# Allegro board ZC7020-PCB.brd (continued)
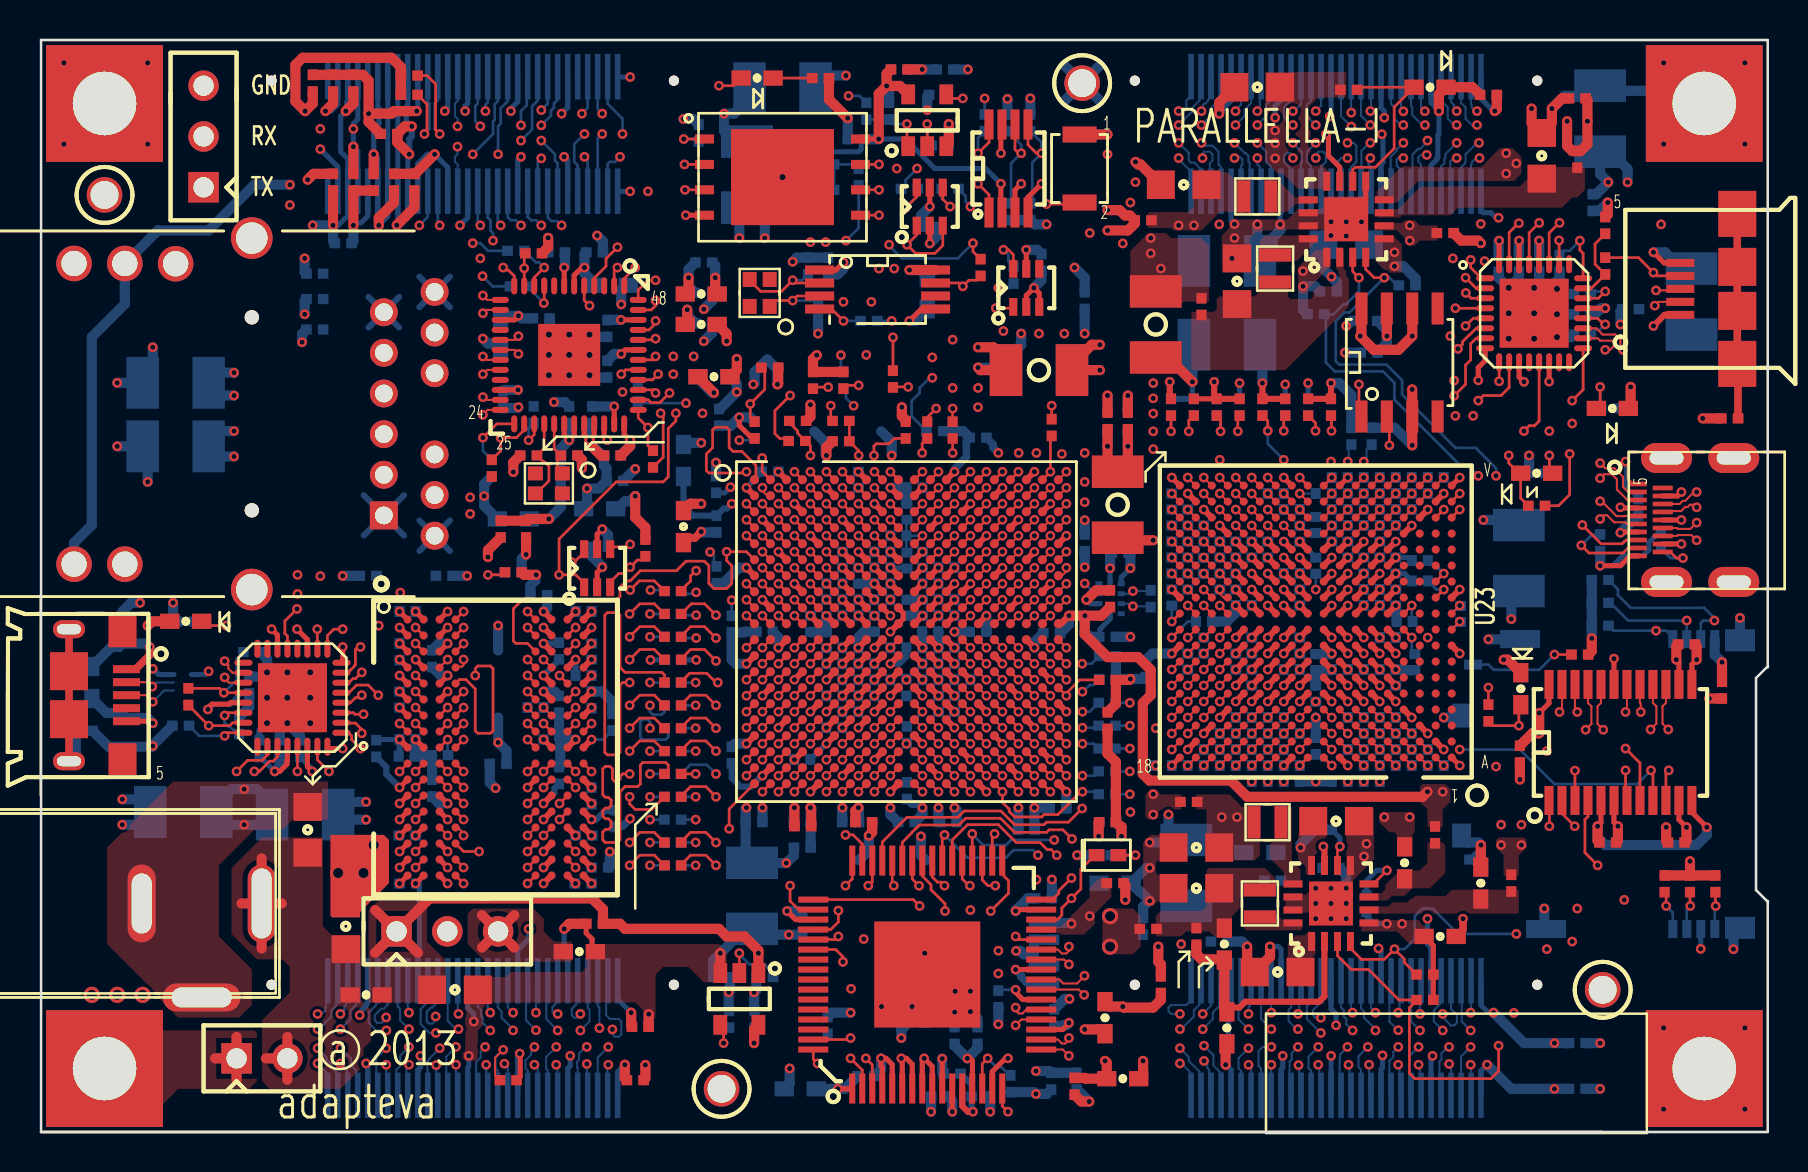
[diagram p0: board, top side]
## Routing (per net, layer and track width the routed paths; a pad name or vN(x,y) marks a point on that pad's centre or on a via; arc(x,y) is an arc through that point) (continued)
  TOP w0.133: v1(27.49,41.33) 27.22,41.59 U9.5 ; U2.C11 v1(44.14,31.42)
  L8_SIG w0.108: v1(44.14,31.42) 44.54,31.82 44.54,35.52 44.38,35.69 44.38,36.58 44.63,36.83 v1(44.63,37.72)
  L10_SIG w0.108: v1(44.63,37.72) 44.5,37.72 44.07,38.15 42.73,38.15 41.46,39.42 36.32,39.42 34.98,40.77 34.36,40.77 33.58,41.55 33.04,41.55 33.02,41.53 32.06,41.53 31.37,42.21 30.97,42.21 30.95,42.2 30.62,42.2 30.61,42.21 28.37,42.21 v1(27.49,41.33)
  BOTTOM w0.133: R61.1 43.6,35.79 43.6,36.56 44,36.96 44,37.21 44.5,37.72 v1(44.63,37.72)
ETH_RXCLK: length 22.9
  TOP w0.133: U2.B17 v1(48.94,32.22)
  L10_SIG w0.108: v1(32.31,36.45) 32.23,36.37 32.18,36.37 32.69,36.88 33.2,36.88 33.58,36.5 34.8,36.5 36.2,35.1 43.17,35.1 43.49,34.79 47.74,34.79 48.33,34.2 48.33,33.53 48.53,33.32 48.53,32.62 v1(48.94,32.22)
  BOTTOM w0.133: v1(32.31,36.45) 29.99,36.45 R71.1
ETH_RXCTL: length 26.8
  TOP w0.133: R297.1 31.17,33.74 31.17,35.81 v1(31.04,35.94) ; U2.D13 v1(45.74,30.62)
  L3_SIG w0.108: v1(46.92,36.25) 46.14,35.47 46.14,31.02 v1(45.74,30.62)
  L5_SIG w0.108: v1(31.04,35.94) 31.75,35.23 39.17,35.23 39.68,35.74 44.95,35.74 45.22,36.01 45.22,36.39 45.46,36.63 46.54,36.63 v1(46.92,36.25)
ETH_RXD0: length 29.1
  TOP w0.133: v1(31.49,36.96) 31,36.47 30.56,36.47 30.42,36.61 U9.38 ; U2.D11 v1(44.14,30.62)
  L5_SIG w0.108: v1(45.65,37.21) 45.2,36.77 43.11,36.77 42.98,36.9 42.98,37.72 42.85,37.85 42.53,37.85 42.41,37.72 42.41,36.9 42.28,36.77 39.24,36.77 39.04,36.58 39.04,36.1 38.79,35.85 35.45,35.85 35.05,36.25 34.54,36.25 34.47,36.18 34.47,35.69 34.34,35.56 33.84,35.56 33.64,35.75 33.64,36.45 33.47,36.63 33.33,36.63 33,36.96 v1(31.49,36.96)
  L8_SIG w0.108: v1(44.14,30.62) 44.54,31.02 45.1,31.02 45.33,31.26 45.33,33.46 45.14,33.66 45.14,34.92 46.15,35.94 46.15,36.7 v1(45.65,37.21)
ETH_RXD1: length 27.8
  TOP w0.133: U2.A16 v1(48.14,33.02) ; v1(30.79,36.96) 30.79,37.03 30.71,37.11 U9.39
  L10_SIG w0.108: v1(30.79,36.96) 30.74,37.01 29.77,37.01 29.64,36.88 29.64,36.32 29.14,35.81 28.5,35.81 28.37,35.69 28.37,35.31 28.5,35.18 29.52,35.18 30.15,35.81 30.53,35.81 30.85,35.5 32.55,35.5 32.68,35.62 32.68,36.23 32.84,36.39 33.31,36.39 34.65,35.05 35.49,35.05 35.82,34.72 42.98,34.72 43.23,34.47 47.17,34.47 47.42,34.21 47.42,33.73 v1(48.14,33.02)
ETH_RXD2: length 29.6
  TOP w0.133: U2.F15 v1(47.34,29.02) ; U9.41 29.29,38.11 v1(29.07,37.9)
  L5_SIG w0.108: v1(29.07,37.9) 29.47,38.29 32.05,38.29 32.5,37.85 41.33,37.85 42.22,38.73 v1(44.63,38.73)
  L8_SIG w0.108: v1(47.34,29.02) 46.94,29.42 46.38,29.42 46.14,29.66 46.14,34.8 46.15,34.81 46.15,35.18 46.41,35.43 46.41,37.34 45.65,38.1 45.14,38.1 44.5,38.73 v1(44.63,38.73)
ETH_RXD3: length 27.4
  TOP w0.133: U9.42 30.61,38.61 v1(30.79,38.79) ; U2.A15 v1(47.34,33.02)
  L3_SIG w0.108: v1(30.79,38.79) 31.28,38.29 31.93,38.29 33.14,37.09 v1(33.14,35.94)
  L10_SIG w0.108: v1(33.14,35.94) 33.07,35.88 33.07,35.18 32.95,35.05 30.91,35.05 30.79,34.92 30.79,33.91 30.91,33.78 33.2,33.78 33.45,34.04 35.49,34.04 35.79,34.34 39.42,34.34 39.61,34.15 40.57,34.15 40.76,34.34 42.73,34.34 43.61,33.45 46.9,33.45 v1(47.34,33.02)
ETH_TXCLK: length 24.8
  TOP w0.133: U9.47 30.57,41.11 30.79,41.33 v1(30.79,41.58) ; R59.2 v1(50.6,36.32)
  L10_SIG w0.108: v1(30.79,41.58) 32.4,39.97 34.72,39.97 35.84,38.85 37.71,38.85 38.46,38.1 41.14,38.1 42.47,36.77 43.28,36.77 43.65,36.4 43.65,35.96 43.82,35.79 44.07,35.79 44.31,35.55 49.82,35.55 v1(50.6,36.32)
ETH_TXCTL: length 22.5
  TOP w0.133: U9.2 28.72,43.07 v1(28.88,43.23) ; R296.2 v1(45.65,36.18)
  L10_SIG w0.108: v1(28.88,43.23) 28.88,43.18 29.26,42.8 30.15,42.8 30.41,43.05 31.17,43.05 32.31,41.91 34.72,41.91 36.25,40.39 38.41,40.39 38.58,40.56 38.98,40.56 39.74,39.8 41.53,39.8 42.85,38.48 44.12,38.48 44.38,38.23 45.01,38.23 45.14,38.1 45.14,36.69 v1(45.65,36.18)
ETH_TXD0: length 27.1
  TOP w0.133: U2.E14 v1(46.54,29.82) ; v1(30.79,39.67) 30.72,39.61 U9.44
  L5_SIG w0.108: v1(46.92,37.21) 44.83,39.29 34.85,39.29 34.6,39.04 33.01,39.04 32.82,39.23 31.23,39.23 v1(30.79,39.67)
  L8_SIG w0.108: v1(46.92,37.21) 47.42,36.7 47.42,35.94 46.52,35.04 46.52,33.8 46.93,33.38 46.93,31.26 46.92,31.24 46.92,30.8 46.93,30.78 46.93,30.22 v1(46.54,29.82)
ETH_TXD1: length 26.7
  TOP w0.133: v1(30.79,40.56) 30.79,40.44 30.46,40.11 U9.45 ; U2.B18 v1(49.74,32.22)
  L8_SIG w0.108: v1(31.68,37.9) 31.28,38.29 31.28,38.91 30.91,39.28 30.62,39.28 30.39,39.51 30.39,40.17 v1(30.79,40.56)
  L10_SIG w0.108: v1(31.68,37.9) 32.12,37.9 32.18,37.83 37.14,37.83 38.14,36.83 40.95,36.83 41.85,35.93 42.69,35.93 43.04,35.58 43.71,35.58 44,35.29 48.44,35.29 49.35,34.39 49.35,33.19 49.34,33.18 49.34,32.62 v1(49.74,32.22)
ETH_TXD2: length 25.5
  TOP w0.133: v1(30.79,42.6) 30.41,42.6 29.92,42.11 U9.48 ; U2.D10 v1(42.53,30.62)
  L5_SIG w0.108: v1(30.79,42.6) 31.3,42.09 38.85,42.09 39.93,41.01 41.07,41.01 v1(41.58,41.52)
  L8_SIG w0.108: v1(42.53,30.62) 42.98,31.06 42.98,33.36 43,33.37 43,34.2 42.37,34.82 42.37,36.91 42.32,36.96 42.32,39.14 41.58,39.88 v1(41.58,41.52)
ETH_TXD3: length 30.7
  TOP w0.133: v1(29.77,43.23) 29.22,42.68 U9.1 ; U2.A17 v1(48.94,33.02)
  L3_SIG w0.108: v1(29.77,43.23) 29.77,37.64 v1(29.14,37.01)
  L10_SIG w0.108: v1(29.14,37.01) 29.53,37.4 35.04,37.4 35.5,36.94 35.74,36.94 36.12,36.56 36.12,36.32 36.83,35.61 39.25,35.61 39.3,35.56 39.6,35.56 39.73,35.43 42.21,35.43 42.27,35.37 43.41,35.37 43.74,35.04 47.87,35.04 48.54,34.37 48.54,33.72 48.94,33.32 v1(48.94,33.02)
ETH_XTAL_IN: length 2.8
  TOP w0.133: U9.29 25.72,34.16 C62.1 26.05,33.81 25.88,33.64 25.88,33.26 26.05,33.09 26.05,33.01 Y2.1
ETH_XTAL_OUT: length 4.2
  TOP w0.133: U9.28 25.22,34.2 C85.1 25.18,33.51 25.24,33.51 25.45,33.3 25.45,32.56 24.83,31.94 Y2.3
GPIO0_N: length 37.5
  TOP w0.102: U2.U17 v1(48.94,19.42)
  L5_SIG w0.095: v1(28.42,3.37) 28.81,3.75 28.98,3.75 29.05,3.81 31.8,3.81 31.87,3.75 38.55,3.75 40.01,5.21 40.95,5.21 41.07,5.08 41.07,4.57 41.38,4.27 42.04,4.27 42.34,4.57 42.34,5.08 42.47,5.21 44.58,5.21 44.88,5.51 44.88,6.99 46.05,8.15 46.05,12.57 47.35,13.87 47.35,15.21 48.05,15.92 48.05,16.45 48.16,16.56 48.44,16.56 48.53,16.65 48.53,19.68 48.65,19.8 48.82,19.8 48.94,19.68 v1(48.94,19.42)
  BOTTOM w0.102: J11.3 28.37,1.85 28.37,3.31 v1(28.42,3.37)
GPIO0_P: length 37.6
  TOP w0.102: U2.T16 v1(48.14,20.22)
  L5_SIG w0.095: v1(48.14,20.22) 48.14,20.19 47.74,19.8 47.74,16.04 47.04,15.34 47.04,14 45.75,12.7 45.75,8.28 44.58,7.11 44.58,5.64 44.45,5.51 42.34,5.51 42.04,5.21 42.04,4.7 41.91,4.57 41.51,4.57 41.38,4.7 41.38,5.21 41.07,5.51 39.88,5.51 38.42,4.05 31.99,4.05 31.93,4.12 28.92,4.12 28.86,4.05 28.63,4.05 v1(28.42,4.25)
  BOTTOM w0.102: J11.5 27.89,3.72 v1(28.42,4.25)
GPIO1_N: length 37.8
  TOP w0.102: U2.W16 v1(48.14,17.82)
  L3_SIG w0.095: v1(28.63,5.13) 29.19,4.57 29.19,4.57 29.64,4.11 33.2,4.11 33.4,4.32 33.4,4.88 34.03,5.5 36.47,5.5 37.84,4.12 39.69,4.12 39.75,4.19 39.75,5.19 40.06,5.5 41.95,5.5 42.73,6.27 42.73,6.53 45.71,9.51 45.71,12.61 47.04,13.94 47.04,15.21 48.16,16.33 48.24,16.51 48.54,16.81 48.54,18.03 48.35,18.22 47.87,18.22 47.74,18.1 47.74,17.95 47.87,17.82 v1(48.14,17.82)
  BOTTOM w0.102: J11.4 28.32,7.49 28.32,5.84 28.5,5.65 28.95,5.65 29.07,5.52 29.07,4.89 28.95,4.76 28.76,4.76 28.63,4.89 v1(28.63,5.13)
GPIO1_P: length 37.7
  TOP w0.102: U2.V16 v1(48.14,18.62)
  L3_SIG w0.095: v1(27.98,5.19) 27.99,5.19 28.45,4.74 28.59,4.74 28.88,4.45 29.52,3.81 33.33,3.81 33.71,4.19 33.71,4.75 34.15,5.19 36.34,5.19 37.72,3.82 39.81,3.82 40.06,4.06 40.06,5.07 40.19,5.19 42.08,5.19 43.03,6.15 43.03,6.4 46.01,9.39 46.01,12.48 47.35,13.82 47.35,15.09 48.41,16.15 48.49,16.33 48.79,16.62 49.14,16.62 49.33,16.81 49.33,17.98 49.08,18.23 48.77,18.23 48.47,18.53 48.22,18.53 v1(48.14,18.62)
  BOTTOM w0.102: v1(27.98,5.19) 27.98,6.22 27.89,6.31 J11.6
GPIO2_N: length 38.6
  TOP w0.102: U2.P16 v1(48.14,21.82)
  L8_SIG w0.095: v1(27.35,3.4) 27.35,3.6 27.54,3.78 28.7,3.78 29.06,4.14 30.89,4.14 31.55,3.48 36.25,3.48 40.44,7.67 41.51,7.67 44.81,10.97 44.81,11.18 45.14,11.51 45.52,11.51 46.08,12.07 46.08,12.57 46.89,13.39 47.83,13.39 49.81,15.37 49.81,15.65 50.13,15.96 50.13,19.58 49.9,19.81 49.53,19.81 49.33,20.01 49.33,21.18 49.1,21.41 48.73,21.41 48.42,21.71 48.24,21.71 v1(48.14,21.82)
  BOTTOM w0.102: J11.7 27.35,1.88 v1(27.35,3.4)
GPIO2_P: length 38.9
  TOP w0.102: U2.P15 v1(47.34,21.82)
  L8_SIG w0.095: v1(47.34,21.82) 47.5,21.65 47.5,21.64 47.73,21.41 48.3,21.41 48.54,21.16 48.54,20.06 48.79,19.81 49.1,19.81 49.33,19.58 49.33,15.93 49.51,15.74 49.51,15.49 47.7,13.69 46.76,13.69 45.77,12.7 45.77,12.19 45.39,11.81 45.01,11.81 44.5,11.3 44.5,11.1 41.38,7.98 40.31,7.98 36.12,3.78 31.68,3.78 31.02,4.45 29.06,4.45 28.83,4.67 27.76,4.67 v1(27.35,4.25)
  BOTTOM w0.102: J11.9 26.89,3.2 26.86,3.23 26.86,3.52 26.96,3.63 26.96,3.94 27.28,4.25 v1(27.35,4.25)
GPIO3_N: length 36.9
  TOP w0.102: v1(50.54,19.42) U2.U19
  L10_SIG w0.095: v1(27.03,5.08) 27.03,5.13 27.23,5.33 27.47,5.33 27.74,5.6 28.82,5.6 29.39,5.03 33.58,5.03 35.16,6.6 35.16,7.11 36.63,8.59 37.26,8.59 38.33,9.65 38.33,10.54 39.74,11.95 39.74,12.58 39.89,12.74 43.19,12.74 43.66,13.21 45.52,13.21 45.98,13.67 47.56,13.67 49.13,15.24 49.13,15.55 49.33,15.75 49.33,17.16 49.57,17.41 49.88,17.41 50.14,17.68 50.14,17.98 50.39,18.23 50.7,18.23 50.93,18.46 50.93,19.36 50.85,19.43 50.55,19.43 v1(50.54,19.42)
  BOTTOM w0.102: J11.8 27.39,6.21 27.49,6.12 27.49,5.54 v1(27.03,5.08)
GPIO3_P: length 37
  TOP w0.102: v1(49.74,19.42) U2.U18
  L10_SIG w0.095: v1(27.03,5.91) 27.03,5.84 27.23,5.64 27.35,5.64 27.61,5.91 28.95,5.91 29.52,5.33 33.45,5.33 34.85,6.73 34.85,7.24 36.5,8.89 37.14,8.89 38.03,9.78 38.03,10.67 39.43,12.07 39.43,12.71 39.77,13.04 43.07,13.04 43.54,13.51 45.39,13.51 45.85,13.97 47.43,13.97 48.83,15.37 48.83,15.78 48.54,16.06 48.54,17.18 48.77,17.41 49.14,17.41 49.34,17.61 49.34,17.98 49.57,18.21 49.94,18.21 50.14,18.41 50.14,19.76 50.08,19.83 49.85,19.83 49.71,19.68 49.71,19.44 v1(49.74,19.42)
  BOTTOM w0.102: J11.10 26.82,7.49 26.82,6.38 26.6,6.16 26.6,5.84 26.72,5.71 26.85,5.71 27.03,5.89 v1(27.03,5.91)
GPIO4_N: length 39.7
  TOP w0.102: U2.R14 v1(46.54,21.02)
  L8_SIG w0.095: v1(46.54,21.02) 46.54,21.29 46.66,21.41 46.82,21.41 46.94,21.29 46.94,20.86 47.19,20.61 47.5,20.61 47.73,20.38 47.73,20.06 47.97,19.81 48.3,19.81 48.53,19.58 48.54,19.56 48.54,16.83 48.29,16.57 48.29,16.1 47.35,15.16 47.35,14.63 46.81,14.1 46.46,14.1 45.39,13.03 44.07,13.03 43.41,12.37 43.41,11.94 41.99,10.52 41.51,10.52 40.74,9.75 40.74,9.55 40.13,8.94 39.8,8.94 36.06,5.2 29.27,5.2 28.11,6.36 26.91,6.36 26.59,6.04 26.59,4.47 25.82,3.7 v1(25.82,3.37)
  BOTTOM w0.102: v1(25.82,3.37) 25.89,3.29 J11.13
GPIO4_P: length 39.8
  TOP w0.102: U2.P14 v1(46.54,21.82)
  L8_SIG w0.095: v1(25.82,4.25) 26,4.43 26.12,4.43 26.28,4.59 26.28,6.16 26.79,6.67 28.23,6.67 29.4,5.5 35.93,5.5 39.68,9.25 40.01,9.25 40.44,9.68 40.44,9.88 41.38,10.82 41.86,10.82 43.11,12.06 43.11,12.5 43.94,13.34 45.27,13.34 46.33,14.4 46.69,14.4 47.04,14.76 47.04,15.29 47.98,16.23 47.98,16.56 47.74,16.8 47.74,19.56 47.5,19.81 47.19,19.81 46.94,20.06 46.94,20.39 46.73,20.61 46.35,20.61 46.13,20.83 46.13,21.41 v1(46.54,21.82)
  BOTTOM w0.102: v1(25.82,4.25) 25.32,3.75 25.32,3.17 25.39,3.1 J11.15
GPIO5_N: length 36.8
  TOP w0.102: U2.T15 v1(47.34,20.22)
  L10_SIG w0.095: v1(47.34,20.22) 47.05,20.22 46.93,20.09 46.93,19.26 46.7,19.03 46.39,19.03 46.14,18.79 46.14,16.84 45.93,16.63 45.59,16.63 45.34,16.38 45.34,15.95 45.01,15.62 43.74,15.62 42.47,14.35 39,14.35 37.71,13.06 36.89,13.06 33.2,9.37 33.2,7.37 32.06,6.22 31.14,6.22 30.46,6.91 26.89,6.91 26.46,6.48 25.83,6.48 25.71,6.61 25.71,6.86 25.58,6.99 25.33,6.99 25.2,6.86 25.2,5.59 25.33,5.46 25.76,5.46 25.89,5.59 v1(25.89,5.91)
  BOTTOM w0.102: v1(25.89,5.91) 25.73,5.91 25.63,6.01 25.63,6.24 25.74,6.34 25.74,6.38 25.82,6.46 25.82,7.49 J11.14
GPIO5_P: length 36.9
  TOP w0.102: U2.T14 v1(46.54,20.22)
  L10_SIG w0.095: v1(25.89,5.08) 26.35,5.54 26.35,5.94 27.02,6.6 30.33,6.6 31.02,5.92 32.18,5.92 33.5,7.24 33.5,9.25 37.01,12.75 37.84,12.75 39.13,14.05 42.6,14.05 43.87,15.32 45.14,15.32 45.65,15.83 45.9,15.83 46.13,16.06 46.13,16.39 46.37,16.63 46.7,16.63 46.94,16.87 46.94,18.78 47.19,19.03 47.5,19.03 47.73,19.26 47.73,20.38 47.5,20.61 46.93,20.61 v1(46.54,20.22)
  BOTTOM w0.102: J11.16 25.33,7.5 25.33,5.65 v1(25.89,5.08)
GPIO6_N: length 36.9
  TOP w0.102: U2.U15 v1(47.34,19.42)
  L8_SIG w0.095: v1(47.34,19.42) 46.94,19.03 46.94,18.05 46.93,18.03 46.93,17.66 46.7,17.43 46.37,17.43 46.13,17.18 46.13,16.86 45.9,16.63 45.53,16.63 45.33,16.43 45.33,16.06 45.14,15.87 45.14,15.37 44.81,15.04 44.81,14.35 44.5,14.04 43.33,14.04 42.2,12.92 42.2,11.93 41.84,11.56 41.43,11.56 40.08,10.21 39.55,10.21 38.38,9.04 37.8,9.04 37.67,8.92 37.67,8.33 36.77,7.43 33.84,7.43 32.51,6.1 30.99,6.1 29.67,7.42 26.24,7.42 25.5,6.68 25.5,4.49 25.23,4.21 25.23,3.79 24.81,3.37 v1(24.73,3.37)
  BOTTOM w0.102: v1(24.73,3.37) 24.89,3.2 J11.17
GPIO6_P: length 36.9
  TOP w0.102: U2.U14 v1(46.54,19.42)
  L8_SIG w0.095: v1(24.73,4.25) 24.81,4.25 25.2,4.65 25.2,6.8 26.11,7.72 29.8,7.72 31.12,6.4 32.38,6.4 33.72,7.73 36.64,7.73 37.37,8.46 37.37,9.04 37.67,9.35 38.26,9.35 39.42,10.52 39.96,10.52 41.3,11.86 41.71,11.86 41.9,12.05 41.9,13.04 43.2,14.34 44.38,14.34 44.5,14.47 44.5,15.16 44.84,15.5 44.84,15.71 44.54,16 44.54,16.38 44.77,16.61 45.08,16.61 45.33,16.86 45.33,17.16 45.57,17.41 45.88,17.41 46.13,17.66 46.13,19.01 v1(46.54,19.42)
  BOTTOM w0.102: v1(24.73,4.25) 24.73,4.18 24.56,4.01 24.56,3.86 24.28,3.58 24.28,3.17 24.39,3.07 J11.19
GPIO7_N: length 36.9
  TOP w0.102: U2.Y14 v1(46.54,17.02)
  L5_SIG w0.095: v1(24.81,5.97) 24.82,5.96 24.82,5.59 24.92,5.49 25.3,5.49 25.45,5.64 25.45,6.1 25.65,6.3 27.41,6.3 27.49,6.22 27.49,6 27.59,5.89 28.98,5.89 29.92,4.95 31.04,4.95 31.42,5.33 31.98,5.33 32.44,4.88 33.25,4.88 33.71,5.33 36.17,5.33 36.63,4.88 37.85,4.88 39.68,6.71 41.3,6.71 41.71,7.11 43.11,7.11 44.76,8.76 44.76,9.53 44.41,9.87 44.41,12.57 45.75,13.91 45.75,15.16 46.64,16.05 46.64,16.45 46.57,16.51 46.28,16.51 46.13,16.66 46.13,17.28 46.25,17.4 46.42,17.4 46.54,17.28 v1(46.54,17.02)
  BOTTOM w0.102: v1(24.81,5.97) 24.81,7.48 J11.18
GPIO7_P: length 37
  TOP w0.102: U2.W14 v1(46.54,17.82)
  L5_SIG w0.095: v1(24.81,5.09) 25.34,5.09 25.72,5.47 27.37,5.47 27.49,5.59 28.85,5.59 29.79,4.65 31.17,4.65 31.55,5.03 31.85,5.03 32.31,4.57 33.38,4.57 33.84,5.03 36.04,5.03 36.5,4.57 37.98,4.57 39.8,6.4 41.43,6.4 41.84,6.81 43.23,6.81 45.06,8.64 45.06,9.65 44.72,9.99 44.72,12.45 46.05,13.78 46.05,15.04 46.94,15.93 46.94,17.41 v1(46.54,17.82)
  BOTTOM w0.102: v1(24.81,5.09) 24.31,5.58 24.31,7.48 J11.20
GPIO8_N: length 39.6
  TOP w0.102: U2.V13 v1(45.74,18.62)
  L10_SIG w0.095: v1(23.23,3.42) 23.17,3.35 23.17,3.05 23.29,2.92 23.55,2.92 23.68,3.05 23.68,3.68 23.56,3.8 23.56,4.12 23.82,4.38 23.95,4.38 24.4,4.83 24.4,8.13 24.58,8.31 25.55,8.31 25.65,8.21 25.65,7.77 25.92,7.49 26.56,7.49 26.83,7.77 26.83,8.21 26.93,8.31 27.31,8.31 27.4,8.21 27.4,7.77 27.68,7.49 28.31,7.49 28.58,7.77 28.58,8.21 28.68,8.31 29.06,8.31 29.15,8.21 29.15,7.77 29.43,7.49 30.06,7.49 30.34,7.77 30.34,8.21 30.51,8.38 31.56,8.38 37.93,14.75 39.35,14.75 39.98,15.38 42.72,15.38 43.28,15.94 43.28,16.89 43.5,17.1 43.63,17.1 43.74,16.99 43.74,16.76 43.87,16.63 44.3,16.63 44.53,16.86 44.53,17.16 44.77,17.41 45.08,17.41 45.33,17.66 45.33,18.03 45.63,18.33 45.63,18.51 v1(45.74,18.62)
  BOTTOM w0.102: J11.23 23.39,3.25 v1(23.23,3.42)
GPIO8_P: length 41.3
  TOP w0.102: U2.U13 v1(45.74,19.42) ; v1(23.17,4.11) 22.76,3.71 22.76,2.83 R223.2
  L10_SIG w0.095: v1(45.74,19.42) 45.74,19.71 45.61,19.84 45.45,19.84 45.33,19.71 45.33,18.46 45.1,18.23 44.75,18.23 44.53,18.01 44.53,17.66 44.28,17.41 43.37,17.41 42.98,17.02 42.98,16.06 42.6,15.68 39.85,15.68 39.23,15.06 37.8,15.06 31.44,8.69 30.38,8.69 30.03,8.34 30.03,7.89 29.94,7.8 29.55,7.8 29.46,7.89 29.46,8.34 29.19,8.61 28.55,8.61 28.28,8.34 28.28,7.89 28.18,7.8 27.8,7.8 27.71,7.89 27.71,8.34 27.43,8.61 26.8,8.61 26.53,8.34 26.53,7.89 26.43,7.8 26.05,7.8 25.95,7.89 25.95,8.34 25.68,8.61 24.45,8.61 24.09,8.25 24.09,4.96 23.82,4.69 23.69,4.69 23.25,4.25 23.25,4.2 v1(23.17,4.11)
  BOTTOM w0.102: v1(23.17,4.11) 23.14,4.11 22.79,3.76 22.79,3.17 22.89,3.07 J11.25
GPIO9_N: length 38
  TOP w0.102: U2.W13 v1(45.74,17.82)
  L5_SIG w0.095: v1(23.66,5.97) 23.93,5.7 23.93,5.59 23.85,5.51 23.5,5.51 23.21,5.79 23.21,6.32 23.37,6.48 25.2,6.48 25.53,6.81 26.16,6.81 26.34,6.99 30.03,6.99 30.84,6.17 31.04,5.97 37.85,5.97 39.63,7.75 42.6,7.75 43.49,8.64 43.49,12.87 44.85,14.22 44.85,15.54 45.33,16.02 45.33,18.08 45.47,18.22 46.03,18.22 46.15,18.1 46.15,17.95 46.03,17.82 v1(45.74,17.82)
  BOTTOM w0.102: J11.24 23.39,6.24 v1(23.66,5.97)
GPIO9_P: length 37.8
  TOP w0.102: U2.V12 v1(44.94,18.62)
  L5_SIG w0.095: v1(23.66,5.08) 23.54,5.21 23.37,5.21 22.91,5.67 22.91,6.45 23.24,6.78 25.07,6.78 25.4,7.11 26.04,7.11 26.22,7.29 30.15,7.29 31.14,6.3 31.17,6.27 37.72,6.27 39.5,8.05 42.47,8.05 43.18,8.76 43.18,12.99 44.54,14.35 44.54,15.88 44.54,15.88 44.54,18.2 44.94,18.59 v1(44.94,18.62)
  BOTTOM w0.102: v1(23.66,5.08) 23.66,5.14 23.09,5.71 23.09,6.03 22.89,6.23 J11.26
GPIO10_N: length 36.9
  TOP w0.102: U2.U12 v1(44.94,19.42)
  L8_SIG w0.095: v1(22.32,3.36) 22.59,3.67 22.72,3.8 22.72,4.31 22.8,4.38 22.81,4.38 23.11,4.69 23.82,4.69 24.05,4.92 24.05,5.38 24.41,5.74 24.41,6.76 26.09,8.43 33.28,8.43 33.58,8.13 36.22,8.13 36.63,8.54 36.63,10.21 36.76,10.34 38.2,10.34 39.8,11.94 39.8,12.7 40.31,13.21 41.46,13.21 43.47,15.23 43.47,16.43 43.66,16.62 44.31,16.62 44.5,16.81 44.5,16.83 44.53,16.86 44.53,17.17 44.79,17.43 45.1,17.43 45.14,17.47 45.16,17.47 45.34,17.66 45.34,19.21 45.14,19.42 v1(44.94,19.42)
  BOTTOM w0.102: J11.27 22.32,1.91 v1(22.32,3.36)
GPIO10_P: length 36.9
  TOP w0.102: U2.T12 v1(44.94,20.22)
  L8_SIG w0.095: v1(22.27,4.25) 22.42,4.41 22.42,4.43 22.68,4.69 22.68,4.69 22.99,4.99 23.02,4.99 23.6,5.58 23.82,5.58 24.11,5.86 24.11,6.89 25.96,8.74 33.4,8.74 33.71,8.43 36.09,8.43 36.32,8.67 36.32,10.34 36.63,10.64 38.08,10.64 39.5,12.06 39.5,12.83 40.19,13.51 41.33,13.51 43.17,15.35 43.17,16.56 43.68,17.07 43.68,17.2 43.91,17.43 44.35,17.43 44.54,17.61 44.54,19.82 v1(44.94,20.22)
  BOTTOM w0.102: J11.29 21.82,1.91 21.82,3.49 22.04,3.72 22.04,4.03 v1(22.27,4.25)
GPIO11_N: length 37.8
  TOP w0.102: U2.T10 v1(42.53,20.22)
  L10_SIG w0.095: v1(22.52,5.97) 22.52,5.71 22.65,5.59 22.84,5.59 22.96,5.71 22.96,6.48 22.71,6.73 22.41,6.73 21.97,7.16 21.97,7.75 22.41,8.18 22.79,8.18 24.31,9.7 26.9,9.7 27.15,9.45 27.36,9.45 27.56,9.65 27.56,10.03 27.94,10.41 28.37,10.41 28.76,10.03 28.76,9.65 28.96,9.45 29.14,9.45 29.34,9.65 29.34,10.03 29.72,10.41 30.15,10.41 30.49,10.07 30.49,9.61 30.66,9.45 31.17,9.45 37.47,15.75 38.64,15.75 39.02,16.13 39.02,16.63 38.94,16.7 38.94,17.18 39.17,17.41 39.48,17.41 39.74,17.67 39.74,17.98 39.97,18.21 40.28,18.21 40.54,18.48 40.54,18.78 40.79,19.03 41.9,19.03 42.14,19.28 42.14,19.58 42.37,19.81 42.74,19.81 43.43,20.5 43.43,20.68 43.26,20.85 43.08,20.85 42.53,20.31 v1(42.53,20.22)
  BOTTOM w0.102: J11.28 22.39,6.21 22.44,6.16 22.44,6.11 22.52,6.03 v1(22.52,5.97)
GPIO11_P: length 37.8
  TOP w0.102: U2.T11 v1(44.14,20.22)
  L10_SIG w0.095: v1(44.14,20.22) 43.58,20.22 42.94,19.58 42.94,19.28 42.7,19.03 42.39,19.03 42.14,18.78 42.14,18.47 41.9,18.23 40.73,18.23 40.52,18.03 40.52,17.66 40.3,17.43 39.93,17.43 39.72,17.23 39.72,16.86 39.32,16.45 39.32,16 38.76,15.44 37.59,15.44 31.3,9.14 30.53,9.14 30.19,9.49 30.19,9.94 30.03,10.11 29.85,10.11 29.64,9.91 29.64,9.53 29.26,9.14 28.83,9.14 28.45,9.53 28.45,9.91 28.25,10.11 28.07,10.11 27.87,9.91 27.87,9.53 27.49,9.14 27.03,9.14 26.77,9.4 24.44,9.4 22.91,7.87 22.53,7.87 22.28,7.62 22.28,7.29 22.53,7.04 22.84,7.04 23.27,6.6 23.27,5.59 22.96,5.28 22.84,5.28 22.63,5.08 v1(22.52,5.08)
  BOTTOM w0.102: v1(22.52,5.08) 22.14,5.46 22.14,5.72 22.07,5.78 22.07,6.1 21.89,6.28 J11.30
GPIO12_N: length 39.3
  TOP w0.102: U2.Y13 v1(45.74,17.02)
  L3_SIG w0.095: v1(45.74,17.02) 45.74,17.08 45.86,17.2 46.03,17.2 46.14,17.08 46.14,16.05 45.85,15.76 45.46,15.76 45.21,15.51 45.17,15.51 44.78,15.12 44.78,14.24 43.51,12.97 43.51,10.44 40.69,7.62 33.53,7.62 32.72,8.43 31.28,8.43 29.25,6.4 25.83,6.4 25.5,6.07 25.5,4.49 25.43,4.42 25.43,3.08 25.02,2.67 21.93,2.67 21.24,3.37 v1(20.8,3.37)
  BOTTOM w0.102: J11.33 20.8,1.92 v1(20.8,3.37)
GPIO12_P: length 39.6
  TOP w0.102: U2.Y12 v1(44.94,17.02)
  L3_SIG w0.095: v1(20.8,4.25) 20.86,4.2 21.61,4.2 21.84,3.97 21.84,3.2 22.06,2.97 24.89,2.97 25.13,3.21 25.13,4.54 25.2,4.61 25.2,6.19 25.71,6.71 29.12,6.71 31.16,8.74 32.84,8.74 33.66,7.92 40.57,7.92 43.21,10.57 43.21,13.09 44.48,14.36 44.48,15.25 45.06,15.83 45.1,15.83 45.33,16.06 45.33,16.62 v1(44.94,17.02)
  BOTTOM w0.102: v1(20.8,4.25) 20.32,3.77 20.32,1.91 J11.35
GPIO13_N: length 38.2
  TOP w0.102: U2.Y11 v1(44.14,17.02)
  L3_SIG w0.095: v1(20.93,5.91) 20.93,5.65 20.8,5.52 20.37,5.52 20.25,5.65 20.25,6.25 20.37,6.38 21.24,6.38 21.64,6.78 24.69,6.78 25.38,7.47 28.63,7.47 30.98,9.82 36.27,9.82 36.72,9.37 37.16,9.37 37.43,9.1 37.43,8.85 37.53,8.75 37.91,8.75 38.01,8.85 38.01,9.51 38.41,9.91 39.17,9.91 39.42,9.65 39.42,9.53 39.63,9.32 40.11,9.32 40.32,9.53 40.32,9.81 41.09,10.58 41.95,10.58 42.42,11.05 42.42,11.42 41.94,11.9 41.94,13.3 43.21,14.57 43.21,15.19 43.61,15.6 43.61,16.51 43.49,16.64 43.49,17.08 43.74,17.34 44.01,17.34 44.14,17.21 v1(44.14,17.02)
  BOTTOM w0.102: J11.34 20.89,5.94 v1(20.93,5.91)
GPIO13_P: length 38.2
  TOP w0.102: U2.W11 v1(44.14,17.82)
  L3_SIG w0.095: v1(44.14,17.82) 44.53,17.43 44.53,15.95 44.38,15.8 44.25,15.8 43.51,15.06 43.51,14.44 42.24,13.17 42.24,12.03 42.73,11.54 42.73,10.92 42.08,10.27 41.21,10.27 40.63,9.69 40.63,9.41 40.24,9.02 39.5,9.02 39.12,9.4 39.12,9.53 39.04,9.6 38.53,9.6 38.31,9.38 38.31,8.72 38.04,8.45 37.4,8.45 37.13,8.72 37.13,8.97 37.03,9.07 36.59,9.07 36.15,9.51 31.1,9.51 28.76,7.16 25.5,7.16 24.82,6.48 21.77,6.48 21.39,6.1 21.39,5.77 21.3,5.69 21.3,5.5 21.15,5.35 21.14,5.35 v1(20.93,5.14)
  BOTTOM w0.102: J11.36 20.39,5.56 20.8,5.14 v1(20.93,5.14)
GPIO14_N: length 37.1
  TOP w0.102: U2.V10 v1(42.53,18.62)
  L8_SIG w0.095: v1(42.53,18.62) 43.53,18.62 43.65,18.5 43.65,18.33 43.53,18.21 42.37,18.21 42.12,17.96 42.12,16.84 41.86,16.57 41.86,16.09 41.06,15.29 41.06,14.53 40.46,13.93 39.72,13.93 38.64,12.85 38.64,11.91 38.2,11.48 36.63,11.48 35.61,10.46 32.44,10.46 31.42,9.45 25.58,9.45 22.61,6.48 20.75,6.48 20.54,6.26 20.54,4.57 20.41,4.45 20.41,3.37 20.29,3.24 19.92,3.24 v1(19.82,3.34)
  BOTTOM w0.102: v1(19.82,3.34) 19.82,1.91 J11.37
GPIO14_P: length 37.3
  TOP w0.102: U2.V11 v1(44.14,18.62)
  L8_SIG w0.095: v1(44.14,18.62) 43.74,19.01 42.34,19.01 42.12,18.79 42.12,18.39 41.96,18.23 41.59,18.23 41.34,17.98 41.34,16.79 41.56,16.57 41.56,16.22 40.76,15.42 40.76,14.66 40.34,14.24 39.59,14.24 38.33,12.98 38.33,12.04 38.08,11.79 36.5,11.79 35.49,10.77 32.31,10.77 31.3,9.75 25.45,9.75 22.48,6.78 20.63,6.78 20.23,6.39 20.23,4.7 20.11,4.58 20.11,4.31 v1(19.99,4.19)
  BOTTOM w0.102: v1(19.99,4.19) 19.47,3.67 19.47,3.63 19.37,3.53 19.37,3.1 19.39,3.07 J11.39
GPIO15_N: length 40.1
  TOP w0.102: U2.U10 v1(42.53,19.42)
  L5_SIG w0.095: v1(42.53,19.42) 42.27,19.42 42.15,19.3 42.15,19.13 42.27,19.01 42.69,19.01 43.1,18.6 43.11,18.6 43.41,18.3 43.41,15.29 43.27,15.15 43.27,14.61 41.91,13.25 41.91,12.01 40.44,10.54 39.36,10.54 37.26,8.45 32.98,8.45 32.72,8.71 30.76,8.71 30.1,8.05 25.2,8.05 24.69,7.54 22.91,7.54 22.15,6.78 20.69,6.78 20.22,6.31 20.22,5.52 20.04,5.34 19.62,5.34 19.36,5.08 19.23,5.08 19.1,5.21 19.1,5.33 19.55,5.78 v1(19.79,5.78)
  BOTTOM w0.102: v1(19.79,5.78) 19.79,5.58 19.64,5.42 19.45,5.42 19.34,5.52 19.34,6.02 19.55,6.22 19.62,6.22 19.89,6.5 J11.38
GPIO15_P: length 39.9
  TOP w0.102: U2.T9 v1(41.73,20.22)
  L5_SIG w0.095: v1(41.73,20.22) 42.14,19.81 42.73,19.81 42.92,19.61 42.92,19.21 43.23,18.91 43.24,18.91 43.72,18.43 43.72,15.16 43.58,15.02 43.58,14.48 42.22,13.12 42.22,11.89 40.57,10.24 39.49,10.24 37.39,8.14 32.86,8.14 32.59,8.41 30.89,8.41 30.23,7.75 25.33,7.75 24.82,7.24 23.04,7.24 22.28,6.48 20.82,6.48 20.53,6.18 20.53,5.4 20.08,4.95 v1(19.8,4.95)
  BOTTOM w0.102: v1(19.8,4.95) 19.48,4.95 19.04,5.4 19.04,6.15 19.39,6.5 J11.40
GPIO16_N: length 37.2
  TOP w0.102: v1(41.73,17.82) U2.W9
  L3_SIG w0.095: v1(18.46,3.37) 18.05,3.77 18.05,4.4 18.37,4.72 18.67,4.72 19.03,5.08 19.03,6.58 19.61,7.16 20.88,7.16 21.26,7.54 24.56,7.54 25.25,8.23 28.25,8.23 30.66,10.64 40.06,10.64 40.44,11.02 40.44,11.56 40.71,11.82 40.71,13.37 41.94,14.61 41.94,15.21 42.27,15.54 42.27,15.88 42.12,16.02 42.12,17.43 v1(41.73,17.82)
  BOTTOM w0.102: J11.43 18.33,1.9 18.33,3.24 v1(18.46,3.37)
GPIO16_P: length 37.2
  TOP w0.102: U2.W10 v1(42.53,17.82)
  L3_SIG w0.095: v1(18.46,4.25) 18.63,4.25 19.33,4.95 19.33,6.45 19.74,6.86 21.01,6.86 21.39,7.24 24.69,7.24 25.38,7.92 28.37,7.92 30.79,10.34 40.18,10.34 40.74,10.9 40.74,11.43 41.01,11.7 41.01,13.25 42.24,14.48 42.24,15.09 42.57,15.42 42.57,15.65 42.92,16 42.92,17.43 v1(42.53,17.82)
  BOTTOM w0.102: J11.45 17.82,1.91 17.82,3.11 18.01,3.31 18.01,3.81 v1(18.46,4.25)
GPIO17_N: length 37.2
  TOP w0.102: U2.U8 v1(40.93,19.42)
  L5_SIG w0.095: v1(18.46,5.97) 18.76,5.97 19.01,6.23 19.01,6.31 20.25,7.54 21.77,7.54 22.53,8.31 24.31,8.31 24.95,8.94 29.53,8.94 30.6,10.01 36.43,10.01 37.01,10.59 38.28,10.59 39.55,11.86 40.44,11.86 40.68,12.1 40.68,13.29 41.91,14.53 41.91,15.42 42.12,15.63 42.12,17.18 41.88,17.43 41.57,17.43 41.34,17.66 41.34,19.68 41.2,19.83 40.69,19.83 40.57,19.71 40.57,19.54 40.69,19.42 v1(40.93,19.42)
  BOTTOM w0.102: J11.44 18.39,6.03 v1(18.46,5.97)
